# Altium PCB NxtPX4.PcbDoc (part 4 of 6)
Units mm, origin at the board's own origin, x right, y up, seen from the top; angles counter-clockwise.
Board outline 33 x 27 mm, 4 copper layers (F.Cu, In1.Cu, In2.Cu, B.Cu); 137 components, 132 nets, 629 pads, 296 vias.
Unrouted connection lines stored in the file: 3.
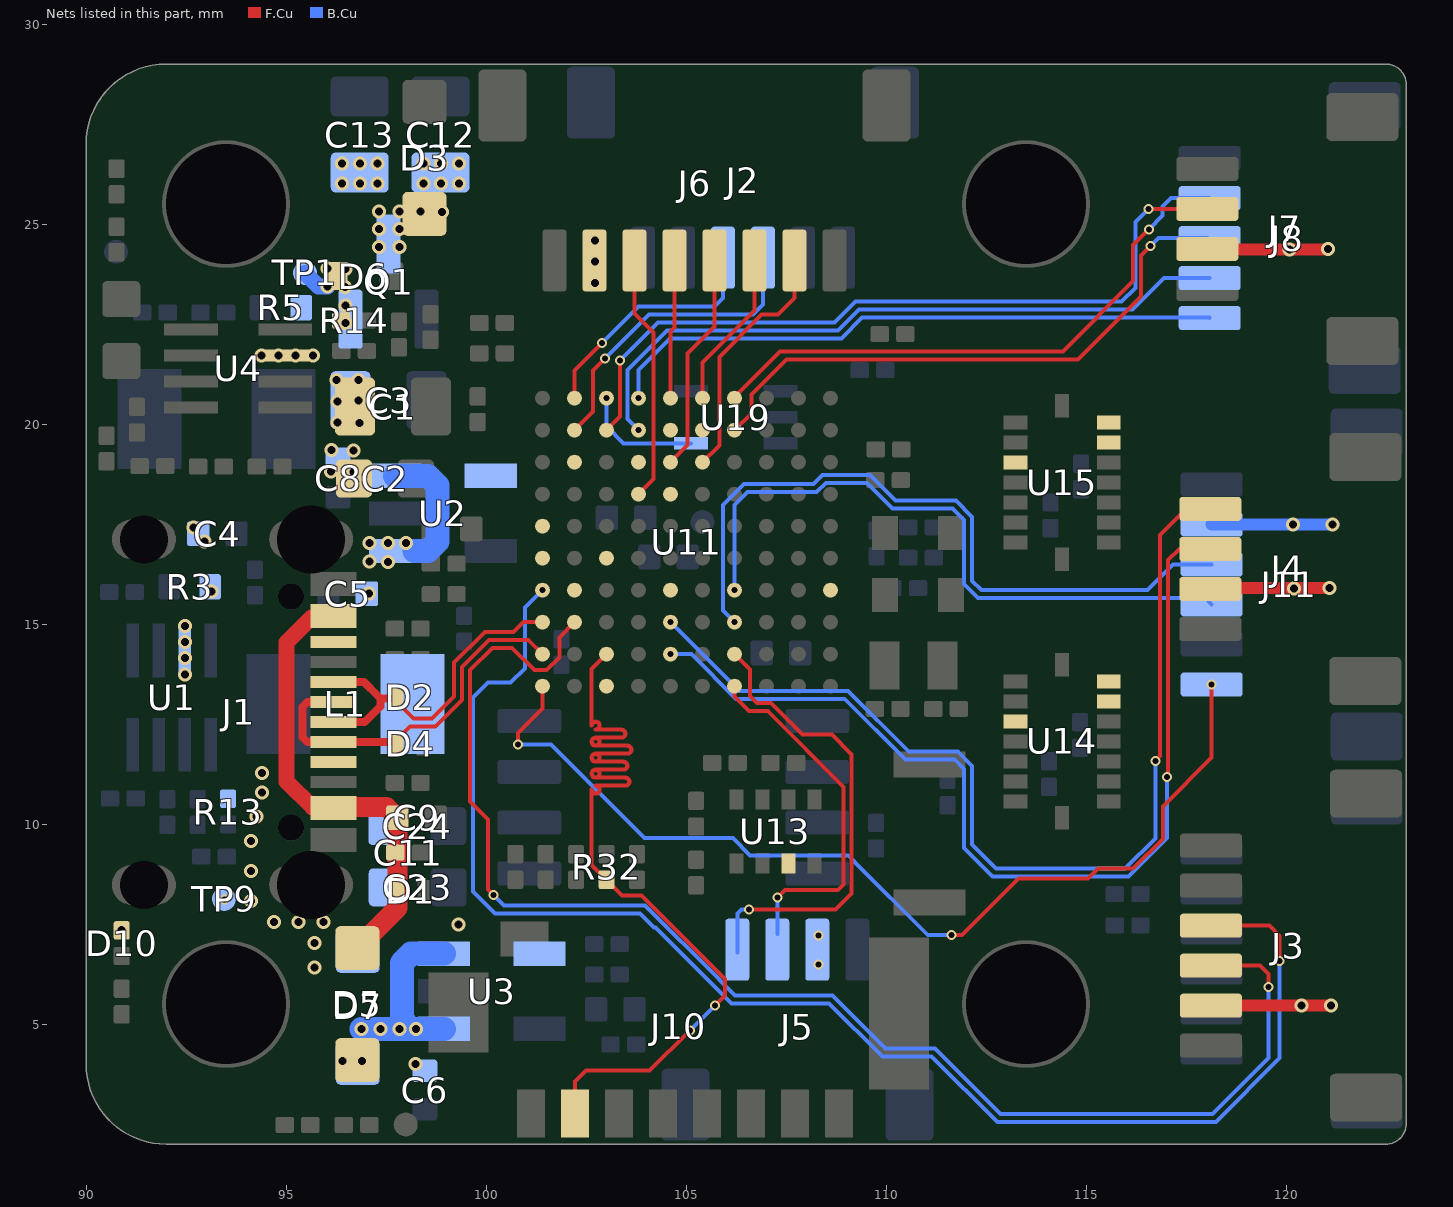
[diagram p6: the nets of this part, all layers, seen from the top]

## Via types
v1: diameter 0.25, hole 0.15, F.Cu to B.Cu, tented both sides, 149 vias
v2: diameter 0.35, hole 0.2, F.Cu to B.Cu, tented both sides, 147 vias

## Nets (pads, with @x,y where several pads share a name; then routed paths per layer and width w, separated by ;. In a path a pad name is that pad's centre, name@x,y a point inside that pad or via, vN(x,y) a via of type N, cw(c..) or ccw(c..) an arc to the next point about the centre after c; other vN are vias at no path point) (continued)
SDMMC1_D3: J10.2 R32.1 U11.B8 | length 24.9
  F.Cu w0.1: J10.2@102.22,2.78 102.22,3.57 102.5,3.85 104.089,3.85 v1(105.095,4.856) ; U11.B8@103.01,14.26 102.64,13.89 102.64,12.47 cw(c102.74,12.47) 102.74,12.37 103.381,12.37 cw(c103.381,12.27) 103.481,12.27 cw(c103.381,12.27) 103.381,12.17 102.74,12.17 cw(c102.74,12.07) 102.64,12.07 cw(c102.74,12.07) 102.74,11.97 103.531,11.97 cw(c103.531,11.87) 103.631,11.87 cw(c103.531,11.87) 103.531,11.77 102.74,11.77 cw(c102.74,11.67) 102.64,11.67 cw(c102.74,11.67) 102.74,11.57 103.431,11.57 cw(c103.431,11.47) 103.531,11.47 cw(c103.431,11.47) 103.431,11.37 102.74,11.37 cw(c102.74,11.27) 102.64,11.27 cw(c102.74,11.27) 102.74,11.17 103.481,11.17 cw(c103.481,11.07) 103.581,11.07 cw(c103.481,11.07) 103.481,10.97 102.74,10.97 cw(c102.74,10.87) 102.64,10.87 102.64,8.99 R32.1@103.01,8.62 103.4,8.23 103.88,8.23 105.97,6.14 105.97,5.73 v1(105.72,5.48)
  B.Cu w0.1: v1(105.095,4.856) v1(105.72,5.48)
SWDIO: J11.6 U11.A10 | length 25.2
  F.Cu w0.1: v1(100.8,12) 100.8,12.29 101.41,12.9 U11.A10@101.41,13.46 ; v1(111.63,7.24) 111.894,7.24 113.304,8.65 115.045,8.65 115.295,8.9 116.177,8.9 116.92,9.643 116.92,10.453 118.14,11.673 v1(118.14,13.5)
  B.Cu w0.1: v1(100.8,12) 101.623,12 103.963,9.66 106.167,9.66 106.602,9.225 109.058,9.225 109.2,9.083 109.2,9.081 111.041,7.24 v1(111.63,7.24)
System_4V5: C5.1 C6.1 D5.1 D7.1 U2.1 U2.3 U3.1 U3.3 | length 9
  B.Cu w0.6: v2(96.88,4.89) v2(97.36,4.89) ; v2(97.36,4.89) v2(97.829,4.891) v2(98.25,4.891) U3.1@98.946,4.891 98.127,4.891 97.891,5.126 97.891,6.534 98.127,6.769 U3.3@98.946,6.77 ; U2.3@97.726,18.715 98.546,18.715 98.781,18.48 98.781,17.071 98.546,16.836 U2.1@98.204,16.836
  other v2: 98.24,4.01 96.41,4.09 96.9,4.09 97.07,15.77 97.09,16.57 97.55,16.56 97.09,17.04 97.545,17.04 98,17.04
System_5V: C23.1 C24.1 D7.2 D10.2 J3.2 J4.2 J5.2 J7.2 J11.2 L1.2 R13.2 TP9.1 | length 12.1
  F.Cu w0.3: J7.2@118.03,24.39 118.04,24.38 v2(120.09,24.38) 121.04,24.38 v2(121.05,24.39) ; J4.2@118.105,15.89 118.125,15.91 120.19,15.91 v2(120.2,15.9) 120.21,15.91 v2(121.08,15.91) ; J3.2@118.12,5.47 v2(120.39,5.47) v2(121.12,5.47)
  B.Cu w0.3: J11.2@118.14,17.5 v2(120.17,17.5) v2(121.16,17.5) v2@121.18,17.5
  other v1: 108.31,6.5 108.31,7.22 93.46,8.13
  other v2: 95.71,6.43 95.71,7.04 90.89,7.36 99.31,7.5 94.7,7.56 95.315,7.56 95.93,7.56 94.12,8.09 94.12,8.84 94.12,9.59 94.26,10.195 94.4,10.8 94.4,11.29
TIM1_CH1: J6.3 U11.K5 | length 3.5
  F.Cu w0.1: U11.K5@105.41,20.66 105.41,21.556 106.71,22.856 J6.3@106.71,23.63
TIM1_CH2: J6.4 U11.H6 | length 5.5
  F.Cu w0.1: U11.H6@104.61,19.06 105.04,19.49 105.04,21.776 105.71,22.446 J6.4@105.71,24.1
TIM1_CH3: J6.5 U11.K6 | length 3.5
  F.Cu w0.1: U11.K6@104.61,20.66 104.61,22.33 104.71,22.43 J6.5@104.71,24.1
TIM1_CH4: J6.6 U11.G7 | length 6.2
  F.Cu w0.1: J6.6@103.71,24.1 103.71,22.78 104.19,22.3 104.19,18.64 U11.G7@103.81,18.26
TIM2_CH3: J8.4 U11.J7 | length 17.1
  B.Cu w0.1: v1(103.81,19.86) 103.53,20.14 103.53,21.363 104.517,22.35 108.797,22.35 109.317,22.87 116.16,22.87 116.95,23.66 J8.4@118.09,23.66
TIM2_CH4: J8.5 U11.K7 | length 15.5
  B.Cu w0.1: v1(103.81,20.66) 103.81,21.36 104.6,22.15 108.88,22.15 109.4,22.67 118.08,22.67 J8.5@118.09,22.66
TIM3_CH3: J8.3 U11.J4 | length 14.7
  F.Cu w0.1: U11.J4@106.21,19.86 106.63,20.28 106.63,20.756 107.504,21.63 114.8,21.63 116.37,23.2 116.37,24.22 v1(116.61,24.46)
  B.Cu w0.1: v1(116.61,24.46) 116.81,24.66 J8.3@118.04,24.66
TIM3_CH4: J8.2 U11.K4 | length 14.6
  F.Cu w0.1: U11.K4@106.21,20.693 107.347,21.83 114.417,21.83 116.17,23.583 116.17,24.49 116.56,24.88 v1(116.57,24.88)
  B.Cu w0.1: v1(116.57,24.88) 116.91,25.22 116.91,25.45 117.12,25.66 J8.2@118.09,25.66
UART4_RX: J5.4 U11.B4 | length 11.9
  F.Cu w0.1: U11.B4@106.21,14.26 106.6,13.87 106.6,13.21 106.77,13.04 107.124,13.04 107.914,12.25 108.645,12.25 109.14,11.755 109.14,8.27 108.74,7.87 v1(106.57,7.87)
  B.Cu w0.1: J5.4@106.29,6.8 106.29,7.77 106.39,7.87 v1(106.57,7.87)
UART4_TX: J5.3 U11.A4 | length 9.1
  F.Cu w0.1: U11.A4@106.21,13.46 106.21,13.198 106.568,12.84 107.041,12.84 108.94,10.941 108.94,8.5 108.8,8.36 107.476,8.36 v1(107.29,8.174)
  B.Cu w0.1: J5.3@107.28,7.26 107.28,8.164 v1(107.29,8.174)
UART5_RX: U11.K8 U19.4 | length 3
  B.Cu w0.1: v1(103.01,20.66) 103.01,19.96 103.44,19.53 U19.4@105.119,19.53
UART5_TX: J7.3 U11.J8 | length 19.1
  F.Cu w0.1: U11.J8@103.01,19.86 103.345,20.195 v1(103.345,21.6) ; v1(116.56,25.39) J7.3@118.03,25.39
  B.Cu w0.1: v1(103.345,21.6) 104.295,22.55 108.714,22.55 109.234,23.07 115.89,23.07 116.23,23.41 116.23,25.06 v1(116.56,25.39)
UART6_RX: U11.E10
UART6_TX: U11.F10
UART7_RX: J6.2 U11.H5 | length 6.2
  F.Cu w0.1: U11.H5@105.41,19.06 105.83,19.48 105.83,21.693 106.887,22.75 107.3,22.75 107.71,23.16 J6.2@107.71,24.1
UART7_TX: U11.J5
UART8_RX: J11.4 U11.D4 | length 16.5
  B.Cu w0.1: v1(106.21,15.86) 106.21,17.99 106.53,18.31 108.264,18.31 108.494,18.54 109.517,18.54 110.157,17.9 111.66,17.9 111.95,17.61 111.95,16.007 112.297,15.66 117.98,15.66 J11.4@118.14,15.5
UART8_TX: J11.3 U11.C4 | length 18
  B.Cu w0.1: v1(106.21,15.06) 105.92,15.35 105.92,17.983 106.447,18.51 108.181,18.51 108.411,18.74 109.6,18.74 110.24,18.1 111.743,18.1 112.15,17.693 112.15,16.09 112.38,15.86 116.53,15.86 117.17,16.5 J11.3@118.14,16.5
unconnected-(J1-SBU1-PadA8): J1.A8
unconnected-(J1-SBU2-PadB8): J1.B8
unconnected-(U2-NC-Pad4): U2.4
unconnected-(U3-NC-Pad4): U3.4
unconnected-(U11A-PA15-PadA8): U11.A8
unconnected-(U11A-PD1-PadE8): U11.E8
unconnected-(U11B-PE10-PadG6): U11.G6
unconnected-(U11B-PE12-PadJ6): U11.J6
unconnected-(U11B-PE15-PadH7): U11.H7
unconnected-(U11B-PH1-OSC_OUT-PadD1): U11.D1
unconnected-(U13-CSB-Pad2): U13.2
unconnected-(U14-INT2-Pad1): U14.1
unconnected-(U14-INT4-Pad13): U14.13
unconnected-(U14-NC-Pad2): U14.2
unconnected-(U15-INT2-Pad1): U15.1
unconnected-(U15-INT4-Pad13): U15.13
unconnected-(U15-NC-Pad2): U15.2
USART1_CK: U11.D9
USART1_RX: J3.4 U11.D10 | length 36.7
  F.Cu w0.1: J3.4@118.12,7.47 119.58,7.47 119.84,7.21 v1(119.84,6.59)
  B.Cu w0.1: v1(101.41,15.86) 100.97,15.42 100.97,13.906 100.614,13.55 100.05,13.55 99.67,13.17 99.67,8.33 100.22,7.78 103.85,7.78 104.201,7.429 104.234,7.429 106.135,5.529 108.575,5.529 109.904,4.2 111.14,4.2 112.78,2.56 118.243,2.56 119.84,4.157 v1(119.84,6.59)
USART1_TX: J3.3 U11.C9 | length 35.6
  F.Cu w0.1: v1@100.23,8.2 100.05,8.38 100.05,10.124 99.6,10.574 99.6,13.858 100.159,14.417 100.653,14.417 101.21,13.86 101.51,13.86 101.83,14.18 101.83,14.68 U11.C9@102.21,15.06 ; J3.3@118.12,6.47 119.35,6.47 119.56,6.26 v1(119.56,5.94)
  B.Cu w0.1: v1(100.19,8.24) 100.45,7.98 103.971,7.98 105.83,6.121 105.83,6.117 106.218,5.729 108.657,5.729 109.986,4.4 111.223,4.4 112.863,2.76 118.16,2.76 119.56,4.16 v1(119.56,5.94)
USART2_CK: U11.D6
USART2_RX: J4.4 U11.C6 | length 25.3
  F.Cu w0.1: v1(116.73,11.59) 116.85,11.71 116.85,17.24 117.5,17.89 J4.4@118.105,17.89
  B.Cu w0.1: v1(104.61,15.06) 105.207,14.463 105.21,14.463 106.333,13.34 109.048,13.34 110.568,11.82 111.798,11.82 112.15,11.467 112.15,9.497 112.748,8.9 115.974,8.9 116.73,9.656 v1(116.73,11.59)
USART2_TX: J4.3 U11.B6 | length 24.4
  F.Cu w0.1: v1(117.025,11.185) 117.05,11.21 117.05,16.61 117.33,16.89 J4.3@118.105,16.89
  B.Cu w0.1: v1(104.61,14.26) 105.13,14.26 106.25,13.14 108.966,13.14 110.486,11.62 111.716,11.62 111.95,11.385 111.95,9.415 112.665,8.7 116.057,8.7 117.025,9.668 v1(117.025,11.185)
USART3_CK: U11.H9
USART3_RX: J2.4 U11.J9 | length 7.8
  F.Cu w0.1: U11.J9@102.21,19.86 102.675,20.325 102.675,21.355 v1(102.97,21.65)
  B.Cu w0.1: v1(102.97,21.65) 104.07,22.75 106.67,22.75 106.92,23 J2.4@106.92,24.17
USART3_TX: J2.3 U11.K9 | length 6.2
  F.Cu w0.1: U11.K9@102.21,20.66 102.21,21.35 v1(102.9,22.04)
  B.Cu w0.1: v1(102.9,22.04) 103.81,22.95 105.71,22.95 105.92,23.16 J2.3@105.92,24.17
USB_OTG_FS_DM: D2.2 J1.A7 J1.B7 U11.C10 | length 8.6
  F.Cu w0.1: D2.2@97.782,13.053 98.186,12.65 98.649,12.65 99.2,13.201 99.2,14.05 99.966,14.816 100.686,14.816 100.93,15.06 U11.C10@101.41,15.06
  F.Cu w0.2: J1.A7@96.19,12.56 96.965,12.56 97.36,12.955 97.36,13.15 ; J1.B7@96.19,13.56 96.95,13.56 97.29,13.22 97.36,13.15 ; D2.2@97.752,13.15 97.36,13.15
USB_OTG_FS_DP: D4.2 J1.A6 J1.B6 U11.B10 | length 9.2
  F.Cu w0.1: D4.2@97.782,12.137 98.096,12.45 98.731,12.45 99.4,13.118 99.4,13.939 100.077,14.617 101.053,14.617 U11.B10@101.41,14.26
  F.Cu w0.2: J1.A6@96.19,13.06 95.535,13.06 95.415,12.94 95.415,12.175 95.53,12.06 J1.B6@96.19,12.06 D4.2@97.692,12.06
VBUS: C9.1 C11.1 D1.2 D5.2 J1.A4 J1.A9 J1.B4 J1.B9 | length 11.7
  F.Cu w0.4: J1.B9@96.16,15.17 95.63,15.17 95.015,14.555 95.015,11.075 95.66,10.43 J1.B4@96.34,10.43
  F.Cu w0.5: J1.B4@96.31,10.44 97.51,10.44 C9.1@97.78,10.17 97.78,7.91 D5.2@96.78,6.91
VCC_24V: C1.1 C2.1 C3.1 C4.1 C8.1 D6.1 Q1.2 R3.1 R5.1 R14.1 TP1.1 U1.7 U4.7 | length 0.7
  B.Cu w0.4: TP1.1@95.47,23.79 95.81,23.45 v2(96.04,23.45)
  other v2: 92.47,13.757 92.47,14.16 92.47,14.563 92.47,14.967 93.14,15.83 92.96,17.07 92.68,17.42 96.12,18.82 96.68,18.81 96.13,19.36 96.69,19.35 96.28,20.05 96.84,20.04 96.28,20.58 96.81,20.6 96.26,21.11 96.81,21.11 94.387,21.72 94.813,21.72 95.24,21.72 95.667,21.72 96.49,22.54 96.48,22.98 96.47,23.44 96.04,23.9 96.48,23.89
VCC_BAT: C12.1 C13.1 D3.2 J6.7 Q1.3
  other v2: 102.72,23.535 102.72,24.07 97.32,24.443 97.83,24.443 102.72,24.605 97.32,24.887 97.83,24.887 98.9,25.31 97.32,25.33 97.83,25.33 98.36,25.32 96.4,26.02 96.843,26.02 97.287,26.02 98.43,26.02 98.873,26.02 99.317,26.02 96.4,26.53 96.843,26.53 97.287,26.53 98.43,26.53 98.873,26.53 99.317,26.53
pads on no net: C7.Un1 C7.Un2 C10.Un1 C10.Un2 C11.Un1 C11.Un2 C16.Un1 C16.Un2 C17.Un1 C17.Un2 C18.Un1 C18.Un2 C19.Un1 C19.Un2 C20.Un1 C20.Un2 C21.Un1 C21.Un2 C22.Un1 C22.Un2 C30.Un1 C30.Un2 C31.Un1 C31.Un2 C32.Un1 C32.Un2 C33.Un1 C33.Un2 C34.Un1 C34.Un2 C35.Un1 C35.Un2 C36.Un1 C36.Un2 C37.Un1 C37.Un2 C38.Un1 C38.Un2 C39.Un1 C39.Un2 C40.Un1 C40.Un2 C41.Un1 C41.Un2 C42.Un1 C42.Un2 C43.Un1 C43.Un2 C44.Un1 C44.Un2 C45.Un1 C45.Un2 D8.Un1 D8.Un2 D9.Un1 D9.Un2 D10.Un1 D10.Un2 D11.Un1 D11.Un2 D12.Un1 D12.Un2 D13.Un1 D13.Un2 D14.Un1 D14.Un2 J1.Un1 J1.Un2 R1.Un1 R1.Un2 R2.Un1 R2.Un2 R4.Un1 R4.Un2 R6.Un1 R6.Un2 R7.Un1 R7.Un2 R8.Un1 R8.Un2 R9.Un1 R9.Un2 R10.Un1 R10.Un2 R11.Un1 R11.Un2 R12.Un1 R12.Un2 R13.Un1 R13.Un2 R14.Un1 R14.Un2 R15.Un1 R15.Un2 R16.Un1 R16.Un2 R17.Un1 R17.Un2 R18.Un1 R18.Un2 R19.Un1 R19.Un2 R20.Un1 R20.Un2 R21.Un1 R21.Un2 R23.Un1 R23.Un2 R24.Un1 R24.Un2 R25.Un1 R25.Un2 R26.Un1 R26.Un2 R27.Un1 R27.Un2 R28.Un1 R28.Un2 R29.Un1 R29.Un2 R30.Un1 R30.Un2 R31.Un1 R31.Un2 R32.Un1 R32.Un2 R33.Un1 R33.Un2 R34.Un1 R34.Un2 R35.Un1 R35.Un2 R36.Un1 R36.Un2 R37.Un1 R37.Un2 R38.Un1 R38.Un2

## Polygon pours and split planes (outlines as drawn)
GND on F.Cu "F.Cu-GND" (solid, remove dead copper, pour order 30682): 123.99,30.79 124.14,0.31 89.26,0.14 89.108,30.537
SCLK on F.Cu "F.Cu-/SCLK-3" (solid, remove dead copper, pour order 30657): 112.738,7.689 112.711,7.668 112.688,7.66 112.664,7.658 112.637,7.656 112.602,7.645 112.649,7.529 112.765,7.482 112.776,7.517 112.778,7.544 112.78,7.568 112.788,7.591 112.809,7.618
USART3_TX on F.Cu "F.Cu-/USART3_TX-1" (solid, remove dead copper, pour order 30663): 102.812,21.881 102.839,21.902 102.862,21.91 102.886,21.912 102.913,21.914 102.948,21.925 102.901,22.041 102.785,22.088 102.774,22.053 102.772,22.026 102.77,22.002 102.762,21.979 102.741,21.952
USB_OTG_FS_DM on F.Cu "F.Cu-/USB_OTG_FS_DM-4" (solid, remove dead copper, pour order 30541): 101.151,15.01 101.204,15.002 101.236,14.98 101.261,14.95 101.291,14.918 101.339,14.889 101.411,15.06 101.339,15.231 101.291,15.202 101.261,15.17 101.236,15.14 101.204,15.118 101.151,15.11
EX_SPI3_MOSI on F.Cu "F.Cu-/EX_SPI3_MOSI-1" (solid, remove dead copper, pour order 30598): 105.628,18.112 105.597,18.155 105.59,18.194 105.593,18.232 105.595,18.276 105.581,18.331 105.409,18.261 105.339,18.089 105.394,18.075 105.438,18.077 105.476,18.08 105.515,18.073 105.558,18.042
System_5V on F.Cu "F.Cu-System_5V-11" (solid, remove dead copper, pour order 30399): 120.807,24.23 120.867,24.228 120.91,24.225 120.947,24.22 120.99,24.217 121.05,24.215 121.051,24.39 121.05,24.565 120.989,24.561 120.947,24.553 120.91,24.542 120.868,24.534 120.807,24.53
BMI088_0_MISO on F.Cu "F.Cu-/BMI088_0_MISO-5" (solid, remove dead copper, pour order 30652): 112.301,20.128 112.322,20.101 112.33,20.078 112.332,20.054 112.334,20.027 112.345,19.992 112.461,20.039 112.508,20.155 112.473,20.166 112.446,20.168 112.422,20.17 112.399,20.178 112.372,20.199
BMI088_1_MISO on F.Cu "F.Cu-/BMI088_1_MISO-3" (solid, remove dead copper, pour order 30477): 112.87,11.03 112.884,11.014 112.898,10.993 112.912,10.968 112.926,10.939 112.94,10.905 113.236,11.08 112.94,11.255 112.926,11.221 112.912,11.192 112.898,11.167 112.884,11.146 112.87,11.13
System_5V on F.Cu "F.Cu-System_5V-10" (solid, remove dead copper, pour order 30385): 120.875,5.32 120.936,5.317 120.979,5.311 121.016,5.304 121.059,5.298 121.12,5.295 121.121,5.47 121.12,5.645 121.059,5.642 121.016,5.636 120.979,5.629 120.936,5.623 120.875,5.62
USART1_RX on F.Cu "F.Cu-/USART1_RX-1" (solid, remove dead copper, pour order 30309): 119.015,7.52 118.982,7.545 118.949,7.579 118.917,7.62 118.884,7.669 118.851,7.726 118.119,7.47 118.851,7.214 118.884,7.271 118.917,7.32 118.949,7.361 118.982,7.395 119.015,7.42
Core_3V3 on F.Cu "F.Cu-Core_3V3-21" (solid, remove dead copper, pour order 30505): 107.556,14.372 107.588,14.335 107.605,14.304 107.614,14.273 107.623,14.237 107.639,14.189 107.811,14.259 107.881,14.431 107.833,14.447 107.797,14.456 107.766,14.465 107.735,14.482 107.698,14.514
EX_SPI3_MOSI on F.Cu "F.Cu-/EX_SPI3_MOSI" (solid, remove dead copper, pour order 30621): 106.455,17.84 106.489,17.836 106.512,17.825 106.529,17.809 106.55,17.792 106.582,17.775 106.631,17.89 106.582,18.005 106.55,17.988 106.529,17.971 106.512,17.955 106.489,17.944 106.455,17.94
BMI088_1_SCK on F.Cu "F.Cu-/BMI088_1_SCK-1" (solid, remove dead copper, pour order 30605): 107.215,13.303 107.191,13.333 107.184,13.36 107.186,13.387 107.192,13.419 107.195,13.46 107.009,13.461 106.939,13.289 106.991,13.275 107.032,13.273 107.068,13.273 107.103,13.263 107.144,13.232
Net-(J1-CC1) on F.Cu "F.Cu-Net-(J1-CC1)-1" (solid, remove dead copper, pour order 30349): 96.825,14.16 96.813,14.165 96.801,14.173 96.789,14.183 96.777,14.195 96.765,14.21 96.189,14.06 96.765,13.91 96.777,13.925 96.789,13.937 96.801,13.947 96.813,13.955 96.825,13.96
BMI088_0_SCK on F.Cu "F.Cu-/BMI088_0_SCK-1" (solid, remove dead copper, pour order 30593): 107.228,18.912 107.197,18.955 107.19,18.994 107.193,19.032 107.195,19.076 107.181,19.131 107.009,19.061 106.939,18.889 106.994,18.875 107.038,18.877 107.076,18.88 107.115,18.873 107.158,18.842
USART1_TX on F.Cu "F.Cu-/USART1_TX-3" (solid, remove dead copper, pour order 30578): 102.062,14.842 102.105,14.873 102.144,14.88 102.182,14.877 102.226,14.875 102.281,14.889 102.211,15.061 102.039,15.131 102.025,15.076 102.027,15.032 102.03,14.994 102.023,14.955 101.992,14.912
SCLK on F.Cu "F.Cu-/SCLK-2" (solid, remove dead copper, pour order 30641): 119.47,14.325 119.474,14.359 119.485,14.382 119.501,14.399 119.518,14.42 119.535,14.452 119.42,14.501 119.305,14.452 119.322,14.42 119.339,14.399 119.355,14.382 119.366,14.359 119.37,14.325
USB_OTG_FS_DM on F.Cu "F.Cu-/USB_OTG_FS_DM-3" (solid, remove dead copper, pour order 30469): 98.013,12.893 97.998,12.946 97.982,13.006 97.966,13.072 97.951,13.144 97.935,13.222 97.782,13.181 97.774,12.901 97.807,12.896 97.841,12.886 97.875,12.87 97.909,12.849 97.943,12.822
UART4_RX on F.Cu "F.Cu-/UART4_RX-1" (solid, remove dead copper, pour order 30649): 106.745,7.92 106.711,7.924 106.688,7.935 106.671,7.951 106.65,7.968 106.618,7.985 106.569,7.87 106.618,7.755 106.65,7.772 106.671,7.789 106.688,7.805 106.711,7.816 106.745,7.82
System_5V on F.Cu "F.Cu-System_5V-9" (solid, remove dead copper, pour order 30276): 119.015,5.62 118.972,5.632 118.93,5.653 118.887,5.68 118.845,5.716 118.802,5.759 118.119,5.47 118.802,5.181 118.845,5.224 118.887,5.26 118.93,5.287 118.972,5.308 119.015,5.32
SDMMC1_CMD on F.Cu "F.Cu-/SDMMC1_CMD-6" (solid, remove dead copper, pour order 30407): 103.495,8.824 103.51,8.784 103.525,8.736 103.54,8.679 103.555,8.612 103.57,8.537 103.771,8.619 103.823,8.85 103.771,8.843 103.72,8.844 103.669,8.853 103.617,8.87 103.566,8.895
TIM3_CH4 on F.Cu "F.Cu-/TIM3_CH4-1" (solid, remove dead copper, pour order 30675): 116.478,24.727 116.505,24.748 116.53,24.754 116.554,24.754 116.582,24.755 116.618,24.765 116.571,24.881 116.455,24.928 116.444,24.894 116.44,24.868 116.437,24.846 116.428,24.824 116.407,24.798
Baro_I2C1_SCL on F.Cu "F.Cu-/Baro_I2C1_SCL-3" (solid, remove dead copper, pour order 30413): 104.975,9.324 104.99,9.284 105.005,9.236 105.02,9.179 105.035,9.112 105.05,9.037 105.251,9.119 105.303,9.35 105.251,9.343 105.2,9.344 105.149,9.353 105.097,9.37 105.046,9.395
Net-(D8-K) on F.Cu "F.Cu-Net-(D8-K)-1" (solid, remove dead copper, pour order 30609): 99.397,14.996 99.43,15.025 99.456,15.042 99.48,15.055 99.506,15.073 99.538,15.102 99.451,15.191 99.362,15.278 99.333,15.246 99.315,15.22 99.302,15.196 99.285,15.17 99.256,15.137
SDMMC1_D0 on F.Cu "F.Cu-/SDMMC1_D0-5" (solid, remove dead copper, pour order 30419): 101.005,8.416 100.99,8.456 100.975,8.504 100.96,8.561 100.945,8.628 100.93,8.703 100.729,8.621 100.677,8.39 100.729,8.397 100.78,8.396 100.831,8.387 100.883,8.37 100.934,8.345
BMI088_0_ADR on F.Cu "F.Cu-/BMI088_0_ADR-3" (solid, remove dead copper, pour order 30661): 111.392,18.231 111.419,18.252 111.442,18.26 111.466,18.262 111.493,18.264 111.528,18.275 111.481,18.391 111.365,18.438 111.354,18.403 111.352,18.376 111.35,18.352 111.342,18.329 111.321,18.302
SDMMC1_CK on F.Cu "F.Cu-/SDMMC1_CK-3" (solid, remove dead copper, pour order 30674): 106.841,5.185 106.819,5.149 106.802,5.124 106.787,5.103 106.772,5.076 106.755,5.038 106.869,4.989 106.985,5.038 106.968,5.063 106.948,5.081 106.93,5.095 106.921,5.111 106.928,5.135
LED_RED on F.Cu "F.Cu-/LED_RED-1" (solid, remove dead copper, pour order 30555): 102.792,18.408 102.823,18.365 102.83,18.326 102.827,18.288 102.825,18.244 102.839,18.189 103.011,18.259 103.081,18.431 103.026,18.445 102.982,18.443 102.944,18.44 102.905,18.447 102.862,18.478
Core_3V3 on F.Cu "F.Cu-Core_3V3-20" (solid, remove dead copper, pour order 30614): 106.472,11.499 106.45,11.522 106.436,11.54 106.427,11.557 106.418,11.578 106.405,11.608 106.289,11.561 106.202,11.472 106.233,11.442 106.256,11.423 106.277,11.406 106.3,11.387 106.331,11.358
Core_3V3 on F.Cu "F.Cu-Core_3V3-19" (solid, remove dead copper, pour order 30367): 99.1,15.444 99.149,15.479 99.199,15.509 99.248,15.532 99.297,15.549 99.346,15.56 99.261,15.761 99.03,15.807 99.016,15.751 99.001,15.701 98.987,15.656 98.973,15.618 98.959,15.586
BMI088_1_ACS on F.Cu "F.Cu-/BMI088_1_ACS-1" (solid, remove dead copper, pour order 30595): 108.028,13.312 107.997,13.355 107.99,13.394 107.993,13.432 107.995,13.476 107.981,13.531 107.809,13.461 107.739,13.289 107.794,13.275 107.838,13.277 107.876,13.28 107.915,13.273 107.958,13.242
Net-(U4-SW) on F.Cu "F.Cu-Net-(U4-SW)-1" (solid, remove dead copper, pour order 30435): 94.785,19.23 94.773,19.204 94.761,19.182 94.749,19.162 94.737,19.145 94.725,19.132 94.91,18.949 95.124,19.1 95.116,19.12 95.109,19.143 95.101,19.169 95.093,19.198 95.085,19.23
USART1_TX on F.Cu "F.Cu-/USART1_TX-2" (solid, remove dead copper, pour order 30306): 119.015,6.52 118.982,6.545 118.949,6.579 118.917,6.62 118.884,6.669 118.851,6.726 118.119,6.47 118.851,6.214 118.884,6.271 118.917,6.32 118.949,6.361 118.982,6.395 119.015,6.42
BMI088_0_MOSI on F.Cu "F.Cu-/BMI088_0_MOSI-3" (solid, remove dead copper, pour order 30473): 112.87,17 112.884,16.984 112.898,16.963 112.912,16.938 112.926,16.909 112.94,16.875 113.236,17.05 112.94,17.225 112.926,17.191 112.912,17.162 112.898,17.137 112.884,17.116 112.87,17.1
Net-(R12-Pad2) on F.Cu "F.Cu-Net-(R12-Pad2)-3" (solid, remove dead copper, pour order 30455): 90.99,19.65 91.012,19.646 91.034,19.639 91.055,19.629 91.077,19.616 91.099,19.6 91.271,19.8 91.099,20 91.077,19.984 91.055,19.971 91.034,19.961 91.012,19.954 90.99,19.95
USB_OTG_FS_DM on F.Cu "F.Cu-/USB_OTG_FS_DM-2" (solid, remove dead copper, pour order 30357): 96.825,13.66 96.813,13.665 96.801,13.673 96.789,13.683 96.777,13.695 96.765,13.71 96.189,13.56 96.765,13.41 96.777,13.425 96.789,13.437 96.801,13.447 96.813,13.455 96.825,13.46
Net-(U11B-BOOT0) on F.Cu "F.Cu-Net-(U11B-BOOT0)-1" (solid, remove dead copper, pour order 30341): 111.11,11.95 111.049,11.904 110.989,11.868 110.928,11.842 110.868,11.826 110.807,11.82 111.08,11.494 111.467,11.82 111.416,11.829 111.364,11.846 111.313,11.872 111.261,11.907 111.21,11.95
Core_3V3 on F.Cu "F.Cu-Core_3V3-18" (solid, remove dead copper, pour order 30453): 113.6,18.18 113.586,18.183 113.572,18.187 113.558,18.193 113.544,18.2 113.53,18.209 113.234,18.05 113.53,17.875 113.544,17.879 113.558,17.882 113.572,17.882 113.586,17.882 113.6,17.88
TIM3_CH3 on F.Cu "F.Cu-/TIM3_CH3-1" (solid, remove dead copper, pour order 30580): 106.358,20.078 106.315,20.047 106.276,20.04 106.238,20.043 106.194,20.045 106.139,20.031 106.209,19.859 106.381,19.789 106.395,19.844 106.393,19.888 106.39,19.926 106.397,19.965 106.428,20.008
SDMMC1_D2 on F.Cu "F.Cu-/SDMMC1_D2-5" (solid, remove dead copper, pour order 30288): 101.07,3.52 101.01,3.472 100.95,3.434 100.89,3.406 100.83,3.388 100.77,3.38 101.12,2.779 101.47,3.38 101.41,3.388 101.35,3.406 101.29,3.434 101.23,3.472 101.17,3.52
EX_I2C4_SDA on F.Cu "F.Cu-/EX_I2C4_SDA-2" (solid, remove dead copper, pour order 30672): 114.854,7.977 114.833,8.004 114.825,8.027 114.823,8.051 114.821,8.078 114.81,8.113 114.694,8.066 114.647,7.95 114.682,7.939 114.709,7.937 114.733,7.935 114.756,7.927 114.783,7.906
SDMMC1_CMD on F.Cu "F.Cu-/SDMMC1_CMD-5" (solid, remove dead copper, pour order 30678): 105.22,4.428 105.227,4.442 105.238,4.445 105.253,4.442 105.27,4.438 105.29,4.435 105.29,4.561 105.175,4.608 105.159,4.571 105.149,4.544 105.141,4.52 105.134,4.493 105.123,4.454
SDMMC1_CMD on F.Cu "F.Cu-/SDMMC1_CMD-4" (solid, remove dead copper, pour order 30300): 103.327,3.538 103.263,3.485 103.198,3.442 103.133,3.411 103.069,3.39 103.004,3.38 103.319,2.779 103.67,3.38 103.615,3.38 103.561,3.389 103.507,3.407 103.452,3.432 103.398,3.467
ADC2_INP8_BATT_I on F.Cu "F.Cu-/ADC2_INP8_BATT_I-1" (solid, remove dead copper, pour order 30315): 108.76,23.205 108.801,23.254 108.842,23.294 108.884,23.327 108.925,23.352 108.966,23.369 108.71,24.101 108.454,23.369 108.495,23.352 108.536,23.327 108.578,23.294 108.619,23.254 108.66,23.205
FRAM_SPI2_MOSI on F.Cu "F.Cu-/FRAM_SPI2_MOSI-1" (solid, remove dead copper, pour order 30574): 106.862,17.242 106.905,17.273 106.944,17.28 106.982,17.277 107.026,17.275 107.081,17.289 107.011,17.461 106.839,17.531 106.825,17.476 106.827,17.432 106.83,17.394 106.823,17.355 106.792,17.312
Core_3V3 on F.Cu "F.Cu-Core_3V3-17" (solid, remove dead copper, pour order 30333): 111.725,16.73 111.77,16.772 111.815,16.805 111.86,16.831 111.905,16.85 111.95,16.86 111.625,17.286 111.3,16.86 111.345,16.85 111.39,16.831 111.435,16.805 111.48,16.772 111.525,16.73
FRAM_SPI2_MOSI on F.Cu "F.Cu-/FRAM_SPI2_MOSI" (solid, remove dead copper, pour order 30622): 102.57,15.635 102.566,15.601 102.555,15.578 102.539,15.561 102.522,15.54 102.505,15.508 102.62,15.459 102.735,15.508 102.718,15.54 102.701,15.561 102.685,15.578 102.674,15.601 102.67,15.635
SDMMC1_D1 on F.Cu "F.Cu-/SDMMC1_D1-4" (solid, remove dead copper, pour order 30636): 100.41,13.951 100.414,13.985 100.425,14.007 100.441,14.025 100.458,14.046 100.475,14.078 100.36,14.126 100.245,14.078 100.262,14.046 100.279,14.025 100.295,14.007 100.306,13.985 100.31,13.951
ADC1_INP4_BATT_V on F.Cu "F.Cu-/ADC1_INP4_BATT_V-6" (solid, remove dead copper, pour order 30431): 96.816,22.325 96.873,22.358 96.931,22.382 96.988,22.397 97.045,22.403 97.103,22.4 97.021,22.601 96.79,22.653 96.781,22.586 96.772,22.527 96.763,22.475 96.754,22.432 96.745,22.396
Baro_I2C1_SDA on F.Cu "F.Cu-/Baro_I2C1_SDA-3" (solid, remove dead copper, pour order 30509): 105.53,10 105.508,10.019 105.486,10.043 105.465,10.073 105.443,10.109 105.421,10.15 105.249,9.95 105.421,9.75 105.443,9.791 105.465,9.827 105.486,9.857 105.508,9.881 105.53,9.9
UART5_TX on F.Cu "F.Cu-/UART5_TX-3" (solid, remove dead copper, pour order 30577): 103.158,20.078 103.115,20.047 103.076,20.04 103.038,20.043 102.994,20.045 102.939,20.031 103.009,19.859 103.181,19.789 103.195,19.844 103.193,19.888 103.19,19.926 103.197,19.965 103.228,20.008
Net-(D8-K) on F.Cu "F.Cu-Net-(D8-K)" (solid, remove dead copper, pour order 30463): 98.67,15 98.642,15.008 98.613,15.022 98.585,15.04 98.557,15.064 98.528,15.092 98.359,14.9 98.528,14.708 98.557,14.736 98.585,14.76 98.613,14.778 98.642,14.792 98.67,14.8
BMI088_0_SCK on F.Cu "F.Cu-/BMI088_0_SCK" (solid, remove dead copper, pour order 30499): 114.47,16.27 114.491,16.292 114.512,16.309 114.533,16.323 114.554,16.334 114.575,16.34 114.4,16.636 114.241,16.34 114.267,16.335 114.293,16.325 114.318,16.311 114.344,16.293 114.37,16.27
Net-(J1-CC2) on F.Cu "F.Cu-Net-(J1-CC2)-1" (solid, remove dead copper, pour order 30359): 96.825,11.16 96.813,11.165 96.801,11.173 96.789,11.183 96.777,11.195 96.765,11.21 96.189,11.06 96.765,10.91 96.777,10.925 96.789,10.937 96.801,10.947 96.813,10.955 96.825,10.96
Net-(D6-A) on F.Cu "F.Cu-Net-(D6-A)-1" (solid, remove dead copper, pour order 30373): 98.46,23.07 98.452,23.036 98.443,23.004 98.435,22.976 98.426,22.951 98.418,22.928 98.61,22.759 98.802,22.928 98.794,22.951 98.785,22.976 98.777,23.004 98.768,23.036 98.76,23.07
Periph_3V3 on F.Cu "F.Cu-Periph_3V3-3" (solid, remove dead copper, pour order 30531): 102.456,7.113 102.487,7.078 102.503,7.049 102.513,7.021 102.522,6.988 102.538,6.943 102.701,7.009 102.767,7.172 102.722,7.188 102.689,7.197 102.661,7.207 102.632,7.223 102.597,7.254
UART5_TX on F.Cu "F.Cu-/UART5_TX-2" (solid, remove dead copper, pour order 30303): 117.135,25.34 117.168,25.315 117.201,25.281 117.233,25.24 117.266,25.191 117.299,25.134 118.031,25.39 117.299,25.646 117.266,25.589 117.233,25.54 117.201,25.499 117.168,25.465 117.135,25.44
System_5V on F.Cu "F.Cu-System_5V-8" (solid, remove dead copper, pour order 30391): 120.335,24.53 120.274,24.533 120.231,24.539 120.194,24.546 120.151,24.552 120.09,24.555 120.089,24.38 120.09,24.205 120.151,24.208 120.194,24.214 120.231,24.221 120.274,24.227 120.335,24.23
BMI088_0_MISO on F.Cu "F.Cu-/BMI088_0_MISO-4" (solid, remove dead copper, pour order 30485): 112.87,17.5 112.884,17.484 112.898,17.463 112.912,17.438 112.926,17.409 112.94,17.375 113.236,17.55 112.94,17.725 112.926,17.691 112.912,17.662 112.898,17.637 112.884,17.616 112.87,17.6
Net-(J1-CC1) on F.Cu "F.Cu-Net-(J1-CC1)" (solid, remove dead copper, pour order 30465): 97.41,13.96 97.446,13.967 97.482,13.968 97.518,13.964 97.554,13.955 97.59,13.94 97.721,14.14 97.506,14.291 97.487,14.255 97.468,14.224 97.449,14.198 97.429,14.176 97.41,14.16
TIM1_CH3 on F.Cu "F.Cu-/TIM1_CH3-1" (solid, remove dead copper, pour order 30549): 104.56,20.919 104.552,20.866 104.53,20.834 104.5,20.809 104.468,20.779 104.439,20.731 104.61,20.659 104.781,20.731 104.752,20.779 104.72,20.809 104.69,20.834 104.668,20.866 104.66,20.919
UART5_TX on F.Cu "F.Cu-/UART5_TX-1" (solid, remove dead copper, pour order 30648): 116.735,25.44 116.701,25.444 116.678,25.455 116.661,25.471 116.64,25.488 116.608,25.505 116.559,25.39 116.608,25.275 116.64,25.292 116.661,25.309 116.678,25.325 116.701,25.336 116.735,25.34
BMI088_0_GCS on F.Cu "F.Cu-/BMI088_0_GCS-2" (solid, remove dead copper, pour order 30625): 110.665,20.8 110.699,20.796 110.722,20.785 110.739,20.769 110.76,20.752 110.792,20.735 110.841,20.85 110.792,20.965 110.76,20.948 110.739,20.931 110.722,20.915 110.699,20.904 110.665,20.9
UART4_TX on F.Cu "F.Cu-/UART4_TX-1" (solid, remove dead copper, pour order 30667): 107.378,8.333 107.351,8.312 107.328,8.304 107.304,8.302 107.277,8.3 107.242,8.29 107.289,8.173 107.405,8.126 107.416,8.161 107.418,8.188 107.42,8.212 107.428,8.235 107.449,8.262
Net-(D9-K) on F.Cu "F.Cu-Net-(D9-K)-1" (solid, remove dead copper, pour order 30461): 95.915,2.59 95.887,2.598 95.858,2.612 95.83,2.63 95.802,2.654 95.773,2.682 95.604,2.49 95.773,2.298 95.802,2.326 95.83,2.35 95.858,2.368 95.887,2.382 95.915,2.39
ADC1_INP4_BATT_V on F.Cu "F.Cu-/ADC1_INP4_BATT_V-5" (solid, remove dead copper, pour order 30634): 105.205,18.76 105.171,18.764 105.148,18.775 105.131,18.791 105.11,18.808 105.078,18.825 105.029,18.71 105.078,18.595 105.11,18.612 105.131,18.629 105.148,18.645 105.171,18.656 105.205,18.66
System_5V on F.Cu "F.Cu-System_5V-7" (solid, remove dead copper, pour order 30387): 120.635,5.62 120.574,5.623 120.531,5.629 120.494,5.636 120.451,5.642 120.39,5.645 120.389,5.47 120.39,5.295 120.451,5.298 120.494,5.304 120.531,5.311 120.574,5.317 120.635,5.32
Baro_I2C1_SCL on F.Cu "F.Cu-/Baro_I2C1_SCL-2" (solid, remove dead copper, pour order 30576): 105.262,14.042 105.305,14.073 105.344,14.08 105.382,14.077 105.426,14.075 105.481,14.089 105.411,14.261 105.239,14.331 105.225,14.276 105.227,14.232 105.23,14.194 105.223,14.155 105.192,14.112
Core_3V3 on F.Cu "F.Cu-Core_3V3-16" (solid, remove dead copper, pour order 30616): 111.725,17.26 111.722,17.301 111.715,17.329 111.707,17.354 111.701,17.382 111.698,17.423 111.573,17.424 111.457,17.375 111.474,17.346 111.492,17.327 111.509,17.312 111.52,17.292 111.525,17.26
Periph_3V3 on F.Cu "F.Cu-Periph_3V3-2" (solid, remove dead copper, pour order 30459): 97.39,2.59 97.362,2.598 97.333,2.612 97.305,2.63 97.277,2.654 97.248,2.682 97.079,2.49 97.248,2.298 97.277,2.326 97.305,2.35 97.333,2.368 97.362,2.382 97.39,2.39
ADC1_INP4_BATT_V on F.Cu "F.Cu-/ADC1_INP4_BATT_V-4" (solid, remove dead copper, pour order 30681): 97.641,22.55 97.666,22.546 97.681,22.537 97.692,22.522 97.704,22.503 97.722,22.482 97.811,22.57 97.762,22.685 97.733,22.673 97.712,22.663 97.694,22.656 97.672,22.651 97.641,22.65
SDMMC1_CMD on F.Cu "F.Cu-/SDMMC1_CMD-3" (solid, remove dead copper, pour order 30631): 104.15,13.167 104.146,13.133 104.135,13.111 104.119,13.093 104.102,13.072 104.085,13.04 104.2,12.991 104.315,13.04 104.298,13.072 104.281,13.093 104.265,13.111 104.254,13.133 104.25,13.167
USART3_TX on F.Cu "F.Cu-/USART3_TX" (solid, remove dead copper, pour order 30539): 102.16,20.919 102.152,20.866 102.13,20.834 102.1,20.809 102.068,20.779 102.039,20.731 102.21,20.659 102.381,20.731 102.352,20.779 102.32,20.809 102.29,20.834 102.268,20.866 102.26,20.919
SDMMC1_D1 on F.Cu "F.Cu-/SDMMC1_D1-3" (solid, remove dead copper, pour order 30585): 102.062,16.442 102.105,16.473 102.144,16.48 102.182,16.477 102.226,16.475 102.281,16.489 102.211,16.661 102.039,16.731 102.025,16.676 102.027,16.632 102.03,16.594 102.023,16.555 101.992,16.512
FRAM_SPI2_SCK on F.Cu "F.Cu-/FRAM_SPI2_SCK-1" (solid, remove dead copper, pour order 30635): 103.575,15.53 103.541,15.534 103.518,15.545 103.501,15.561 103.48,15.578 103.448,15.595 103.399,15.48 103.448,15.365 103.48,15.382 103.501,15.399 103.518,15.415 103.541,15.426 103.575,15.43
TIM1_CH2 on F.Cu "F.Cu-/TIM1_CH2-1" (solid, remove dead copper, pour order 30323): 105.76,23.205 105.801,23.254 105.842,23.294 105.884,23.327 105.925,23.352 105.966,23.369 105.71,24.101 105.454,23.369 105.495,23.352 105.536,23.327 105.578,23.294 105.619,23.254 105.66,23.205
BMI088_1_GDR on F.Cu "F.Cu-/BMI088_1_GDR-1" (solid, remove dead copper, pour order 30592): 107.228,14.112 107.197,14.155 107.19,14.194 107.193,14.232 107.195,14.276 107.181,14.331 107.009,14.261 106.939,14.089 106.994,14.075 107.038,14.077 107.076,14.08 107.115,14.073 107.158,14.042
SDMMC1_D2 on F.Cu "F.Cu-/SDMMC1_D2-4" (solid, remove dead copper, pour order 30633): 105.433,5.918 105.428,5.884 105.417,5.862 105.402,5.844 105.384,5.823 105.367,5.791 105.483,5.742 105.598,5.791 105.581,5.823 105.563,5.844 105.548,5.862 105.537,5.884 105.533,5.918
Net-(D6-A) on F.Cu "F.Cu-Net-(D6-A)" (solid, remove dead copper, pour order 30343): 98.05,23.86 98.018,23.877 97.986,23.9 97.954,23.93 97.922,23.967 97.89,24.01 97.629,23.71 97.89,23.41 97.922,23.453 97.954,23.49 97.986,23.52 98.018,23.543 98.05,23.56
USART1_RX on F.Cu "F.Cu-/USART1_RX" (solid, remove dead copper, pour order 30628): 119.79,6.765 119.786,6.731 119.775,6.708 119.759,6.691 119.742,6.67 119.725,6.638 119.84,6.589 119.955,6.638 119.938,6.67 119.921,6.691 119.905,6.708 119.894,6.731 119.89,6.765
EX_I2C4_SDA on F.Cu "F.Cu-/EX_I2C4_SDA-1" (solid, remove dead copper, pour order 30664): 116.272,8.101 116.299,8.122 116.322,8.13 116.346,8.132 116.373,8.134 116.408,8.145 116.361,8.261 116.245,8.308 116.234,8.273 116.232,8.246 116.23,8.222 116.222,8.199 116.201,8.172
BMI088_0_ACS on F.Cu "F.Cu-/BMI088_0_ACS-1" (solid, remove dead copper, pour order 30581): 107.958,20.078 107.915,20.047 107.876,20.04 107.838,20.043 107.794,20.045 107.739,20.031 107.809,19.859 107.981,19.789 107.995,19.844 107.993,19.888 107.99,19.926 107.997,19.965 108.028,20.008
System_5V on F.Cu "F.Cu-System_5V-6" (solid, remove dead copper, pour order 30381): 119.845,24.23 119.906,24.227 119.949,24.221 119.986,24.214 120.029,24.208 120.09,24.205 120.091,24.38 120.09,24.555 120.029,24.552 119.986,24.546 119.949,24.539 119.906,24.533 119.845,24.53
BMI088_1_ACS on F.Cu "F.Cu-/BMI088_1_ACS" (solid, remove dead copper, pour order 30475): 112.87,13.03 112.884,13.014 112.898,12.993 112.912,12.968 112.926,12.939 112.94,12.905 113.236,13.08 112.94,13.255 112.926,13.221 112.912,13.192 112.898,13.167 112.884,13.146 112.87,13.13
SDMMC1_D3 on F.Cu "F.Cu-/SDMMC1_D3-5" (solid, remove dead copper, pour order 30294): 102.17,3.52 102.11,3.472 102.05,3.434 101.99,3.406 101.93,3.388 101.87,3.38 102.22,2.779 102.57,3.38 102.51,3.388 102.45,3.406 102.39,3.434 102.33,3.472 102.27,3.52
AUX3_PA4 on F.Cu "F.Cu-/AUX3_PA4-1" (solid, remove dead copper, pour order 30653): 107.271,17.918 107.292,17.891 107.3,17.868 107.302,17.844 107.304,17.817 107.315,17.782 107.431,17.829 107.478,17.945 107.443,17.956 107.416,17.958 107.392,17.96 107.369,17.968 107.342,17.989
Net-(U11A-PC14-OSC32_IN) on F.Cu "F.Cu-Net-(U11A-PC14-OSC32_IN)-2" (solid, remove dead copper, pour order 30513): 109.67,13.17 109.64,13.137 109.61,13.11 109.58,13.088 109.55,13.072 109.52,13.061 109.72,12.889 109.92,13.061 109.89,13.072 109.86,13.088 109.83,13.11 109.8,13.137 109.77,13.17
BMI088_1_GCS on F.Cu "F.Cu-/BMI088_1_GCS-1" (solid, remove dead copper, pour order 30591): 108.028,16.512 107.997,16.555 107.99,16.594 107.993,16.632 107.995,16.676 107.981,16.731 107.809,16.661 107.739,16.489 107.794,16.475 107.838,16.477 107.876,16.48 107.915,16.473 107.958,16.442
BMI088_0_MISO on F.Cu "F.Cu-/BMI088_0_MISO-3" (solid, remove dead copper, pour order 30572): 107.158,20.078 107.115,20.047 107.076,20.04 107.038,20.043 106.994,20.045 106.939,20.031 107.009,19.859 107.181,19.789 107.195,19.844 107.193,19.888 107.19,19.926 107.197,19.965 107.228,20.008
Net-(U11B-BOOT0) on F.Cu "F.Cu-Net-(U11B-BOOT0)" (solid, remove dead copper, pour order 30651): 111.21,11.965 111.214,11.999 111.225,12.022 111.241,12.039 111.258,12.06 111.275,12.092 111.16,12.141 111.045,12.092 111.062,12.06 111.079,12.039 111.095,12.022 111.106,11.999 111.11,11.965
SDMMC1_D1 on F.Cu "F.Cu-/SDMMC1_D1-2" (solid, remove dead copper, pour order 30425): 101.765,8.416 101.75,8.456 101.735,8.504 101.72,8.561 101.705,8.628 101.69,8.703 101.489,8.621 101.437,8.39 101.489,8.397 101.54,8.396 101.591,8.387 101.643,8.37 101.694,8.345
SBUS on F.Cu "F.Cu-/SBUS-5" (solid, remove dead copper, pour order 30312): 117.135,26.33 117.168,26.306 117.201,26.275 117.233,26.235 117.266,26.188 117.299,26.134 118.031,26.39 117.299,26.646 117.266,26.587 117.233,26.535 117.201,26.492 117.168,26.457 117.135,26.43
EX_SPI3_MISO on F.Cu "F.Cu-/EX_SPI3_MISO-1" (solid, remove dead copper, pour order 30561): 104.66,13.201 104.668,13.254 104.69,13.286 104.72,13.311 104.752,13.341 104.781,13.389 104.61,13.461 104.439,13.389 104.468,13.341 104.5,13.311 104.53,13.286 104.552,13.254 104.56,13.201
BMI088_0_MOSI on F.Cu "F.Cu-/BMI088_0_MOSI-2" (solid, remove dead copper, pour order 30650): 112.735,17.1 112.701,17.104 112.678,17.115 112.661,17.131 112.64,17.148 112.608,17.165 112.559,17.05 112.608,16.935 112.64,16.952 112.661,16.969 112.678,16.985 112.701,16.996 112.735,17
Net-(U11A-PC15-OSC32_OUT) on F.Cu "F.Cu-Net-(U11A-PC15-OSC32_OUT)-3" (solid, remove dead copper, pour order 30519): 111.78,13.17 111.749,13.138 111.718,13.111 111.688,13.09 111.657,13.075 111.626,13.065 111.82,12.889 112.021,13.061 111.993,13.072 111.964,13.088 111.936,13.11 111.908,13.137 111.88,13.17
Baro_I2C1_SDA on F.Cu "F.Cu-/Baro_I2C1_SDA-2" (solid, remove dead copper, pour order 30411): 104.975,10.154 104.99,10.114 105.005,10.066 105.02,10.009 105.035,9.942 105.05,9.867 105.251,9.949 105.303,10.18 105.251,10.173 105.2,10.174 105.149,10.183 105.097,10.2 105.046,10.225
Net-(U11A-PC14-OSC32_IN) on F.Cu "F.Cu-Net-(U11A-PC14-OSC32_IN)-1" (solid, remove dead copper, pour order 30329): 109.77,13.23 109.849,13.285 109.927,13.328 110.006,13.358 110.085,13.375 110.163,13.38 109.965,13.981 109.59,13.38 109.606,13.36 109.622,13.335 109.638,13.305 109.654,13.27 109.67,13.23
EX_I2C4_SDA on F.Cu "F.Cu-/EX_I2C4_SDA" (solid, remove dead copper, pour order 30665): 116.448,8.419 116.421,8.398 116.398,8.39 116.374,8.388 116.347,8.386 116.312,8.375 116.359,8.259 116.475,8.212 116.486,8.247 116.488,8.274 116.49,8.298 116.498,8.321 116.519,8.348
USART3_RX on F.Cu "F.Cu-/USART3_RX-1" (solid, remove dead copper, pour order 30584): 102.358,20.078 102.315,20.047 102.276,20.04 102.238,20.043 102.194,20.045 102.139,20.031 102.209,19.859 102.381,19.789 102.395,19.844 102.393,19.888 102.39,19.926 102.397,19.965 102.428,20.008
SDMMC1_D3 on F.Cu "F.Cu-/SDMMC1_D3-4" (solid, remove dead copper, pour order 30421): 103.285,8.416 103.27,8.456 103.255,8.504 103.24,8.561 103.225,8.628 103.21,8.703 103.009,8.621 102.957,8.39 103.009,8.397 103.06,8.396 103.111,8.387 103.163,8.37 103.214,8.345
System_5V on F.Cu "F.Cu-System_5V-5" (solid, remove dead copper, pour order 30377): 120.145,5.32 120.206,5.317 120.249,5.311 120.286,5.304 120.329,5.298 120.39,5.295 120.391,5.47 120.39,5.645 120.329,5.642 120.286,5.636 120.249,5.629 120.206,5.623 120.145,5.62
LED_GREEN on F.Cu "F.Cu-/LED_GREEN-1" (solid, remove dead copper, pour order 30547): 101.951,18.21 102.004,18.202 102.036,18.18 102.061,18.15 102.091,18.118 102.139,18.089 102.211,18.26 102.139,18.431 102.091,18.402 102.061,18.37 102.036,18.34 102.004,18.318 101.951,18.31
SDMMC1_CK on F.Cu "F.Cu-/SDMMC1_CK-2" (solid, remove dead copper, pour order 30658): 105.871,3.891 105.899,3.912 105.922,3.92 105.946,3.922 105.973,3.924 106.008,3.935 105.961,4.051 105.844,4.098 105.834,4.063 105.832,4.036 105.83,4.013 105.822,3.989 105.801,3.962
Core_3V3 on F.Cu "F.Cu-Core_3V3-15" (solid, remove dead copper, pour order 30501): 106.805,10.95 106.79,10.93 106.775,10.913 106.76,10.899 106.745,10.888 106.73,10.88 106.905,10.629 107.08,10.88 107.065,10.888 107.05,10.899 107.035,10.913 107.02,10.93 107.005,10.95
NRST on F.Cu "F.Cu-/NRST-1" (solid, remove dead copper, pour order 30619): 109.185,16.61 109.219,16.606 109.242,16.595 109.259,16.579 109.28,16.562 109.312,16.545 109.361,16.66 109.312,16.775 109.28,16.758 109.259,16.741 109.242,16.725 109.219,16.714 109.185,16.71
USART1_TX on F.Cu "F.Cu-/USART1_TX-1" (solid, remove dead copper, pour order 30656): 100.031,8.328 100.052,8.301 100.06,8.278 100.062,8.254 100.064,8.227 100.075,8.192 100.191,8.239 100.238,8.355 100.203,8.366 100.176,8.368 100.152,8.37 100.129,8.378 100.102,8.399
BMI088_0_ADR on F.Cu "F.Cu-/BMI088_0_ADR-2" (solid, remove dead copper, pour order 30638): 114.46,21.155 114.464,21.189 114.475,21.212 114.491,21.229 114.508,21.25 114.525,21.282 114.41,21.331 114.295,21.282 114.312,21.25 114.329,21.229 114.345,21.212 114.356,21.189 114.36,21.155
Net-(U11B-PH0-OSC_IN) on F.Cu "F.Cu-Net-(U11B-PH0-OSC_IN)-1" (solid, remove dead copper, pour order 30339): 109.52,15.685 109.546,15.648 109.572,15.602 109.598,15.547 109.624,15.483 109.65,15.41 109.976,15.735 109.65,16.06 109.624,15.987 109.598,15.923 109.572,15.868 109.546,15.822 109.52,15.785
Baro_I2C1_SCL on F.Cu "F.Cu-/Baro_I2C1_SCL-1" (solid, remove dead copper, pour order 30517): 105.53,9.08 105.513,9.105 105.497,9.136 105.48,9.174 105.463,9.217 105.447,9.267 105.249,9.12 105.388,8.898 105.417,8.924 105.445,8.945 105.473,8.962 105.502,8.973 105.53,8.98
EX_SPI3_SCK on F.Cu "F.Cu-/EX_SPI3_SCK-1" (solid, remove dead copper, pour order 30655): 104.066,12.643 104.087,12.616 104.095,12.593 104.097,12.569 104.099,12.542 104.11,12.507 104.226,12.554 104.273,12.67 104.238,12.681 104.211,12.683 104.187,12.685 104.164,12.693 104.137,12.714
BMI088_1_SCK on F.Cu "F.Cu-/BMI088_1_SCK" (solid, remove dead copper, pour order 30491): 114.45,9.8 114.475,9.823 114.5,9.841 114.525,9.855 114.55,9.865 114.575,9.87 114.4,10.166 114.225,9.87 114.25,9.865 114.275,9.855 114.3,9.841 114.325,9.823 114.35,9.8
SDMMC1_D0 on F.Cu "F.Cu-/SDMMC1_D0-4" (solid, remove dead copper, pour order 30291): 107.67,3.52 107.61,3.472 107.55,3.434 107.49,3.406 107.43,3.388 107.37,3.38 107.72,2.779 108.07,3.38 108.01,3.388 107.95,3.406 107.89,3.434 107.83,3.472 107.77,3.52
Net-(U4-BST) on F.Cu "F.Cu-Net-(U4-BST)" (solid, remove dead copper, pour order 30451): 92.65,19.23 92.64,19.202 92.63,19.177 92.62,19.156 92.61,19.137 92.6,19.121 92.8,18.949 93,19.121 92.99,19.137 92.98,19.156 92.97,19.177 92.96,19.202 92.95,19.23
BMI088_0_MISO on F.Cu "F.Cu-/BMI088_0_MISO-2" (solid, remove dead copper, pour order 30645): 112.635,20.09 112.601,20.094 112.578,20.105 112.561,20.121 112.54,20.138 112.508,20.155 112.459,20.04 112.508,19.925 112.54,19.942 112.561,19.959 112.578,19.975 112.601,19.986 112.635,19.99
EX_I2C4_SCL on F.Cu "F.Cu-/EX_I2C4_SCL-1" (solid, remove dead copper, pour order 30327): 117.225,8.34 117.258,8.327 117.291,8.308 117.323,8.283 117.356,8.252 117.389,8.214 118.121,8.47 117.356,8.677 117.33,8.614 117.304,8.558 117.278,8.511 117.251,8.471 117.225,8.44
SWDIO on F.Cu "F.Cu-/SWDIO-3" (solid, remove dead copper, pour order 30639): 111.805,7.29 111.771,7.294 111.748,7.305 111.731,7.321 111.71,7.338 111.678,7.355 111.629,7.24 111.678,7.125 111.71,7.142 111.731,7.159 111.748,7.175 111.771,7.186 111.805,7.19
ADC2_INP8_BATT_I on F.Cu "F.Cu-/ADC2_INP8_BATT_I" (solid, remove dead copper, pour order 30630): 106.164,21.465 106.159,21.431 106.148,21.408 106.133,21.391 106.115,21.37 106.098,21.338 106.214,21.289 106.329,21.338 106.312,21.37 106.294,21.391 106.279,21.408 106.268,21.431 106.264,21.465
Net-(R12-Pad2) on F.Cu "F.Cu-Net-(R12-Pad2)-2" (solid, remove dead copper, pour order 30449): 91.19,19.24 91.18,19.212 91.17,19.187 91.16,19.166 91.15,19.147 91.14,19.131 91.34,18.959 91.54,19.131 91.53,19.147 91.52,19.166 91.51,19.187 91.5,19.212 91.49,19.24
TIM1_CH4 on F.Cu "F.Cu-/TIM1_CH4-1" (solid, remove dead copper, pour order 30586): 103.958,18.478 103.915,18.447 103.876,18.44 103.838,18.443 103.794,18.445 103.739,18.431 103.809,18.259 103.981,18.189 103.995,18.244 103.993,18.288 103.99,18.326 103.997,18.365 104.028,18.408
USB_OTG_FS_DP on F.Cu "F.Cu-/USB_OTG_FS_DP-5" (solid, remove dead copper, pour order 30355): 95.555,11.96 95.567,11.955 95.579,11.947 95.591,11.937 95.603,11.925 95.615,11.91 96.191,12.06 95.615,12.21 95.603,12.195 95.591,12.183 95.579,12.173 95.567,12.165 95.555,12.16
BMI088_0_MOSI on F.Cu "F.Cu-/BMI088_0_MOSI-1" (solid, remove dead copper, pour order 30654): 111.881,20.958 111.902,20.931 111.91,20.908 111.912,20.884 111.914,20.857 111.925,20.822 112.041,20.869 112.088,20.985 112.053,20.996 112.026,20.998 112.002,21 111.979,21.008 111.952,21.029
SDMMC1_D0 on F.Cu "F.Cu-/SDMMC1_D0-3" (solid, remove dead copper, pour order 30626): 99.96,15.745 99.956,15.711 99.945,15.688 99.93,15.671 99.912,15.65 99.895,15.618 100.01,15.569 100.126,15.618 100.108,15.65 100.091,15.671 100.075,15.688 100.064,15.711 100.06,15.745
USART1_TX on F.Cu "F.Cu-/USART1_TX" (solid, remove dead copper, pour order 30618): 119.51,6.115 119.506,6.081 119.495,6.058 119.479,6.041 119.462,6.02 119.445,5.988 119.56,5.939 119.675,5.988 119.658,6.02 119.641,6.041 119.625,6.058 119.614,6.081 119.61,6.115
SBUS on F.Cu "F.Cu-/SBUS-4" (solid, remove dead copper, pour order 30679): 110.53,23.809 110.532,23.841 110.539,23.863 110.549,23.882 110.561,23.902 110.575,23.932 110.46,23.981 110.372,23.892 110.391,23.874 110.408,23.862 110.42,23.85 110.427,23.834 110.43,23.809
Net-(U11A-PC15-OSC32_OUT) on F.Cu "F.Cu-Net-(U11A-PC15-OSC32_OUT)-2" (solid, remove dead copper, pour order 30579): 108.758,14.478 108.715,14.447 108.676,14.44 108.638,14.443 108.594,14.445 108.539,14.431 108.609,14.259 108.781,14.189 108.795,14.244 108.793,14.288 108.79,14.326 108.797,14.365 108.828,14.408
BMI088_1_ADR on F.Cu "F.Cu-/BMI088_1_ADR-1" (solid, remove dead copper, pour order 30623): 112.16,14.315 112.156,14.281 112.145,14.258 112.129,14.241 112.112,14.22 112.095,14.188 112.21,14.139 112.325,14.188 112.308,14.22 112.291,14.241 112.275,14.258 112.264,14.281 112.26,14.315
FRAM_SPI2_SCK on F.Cu "F.Cu-/FRAM_SPI2_SCK" (solid, remove dead copper, pour order 30613): 103.747,15.272 103.758,15.253 103.75,15.238 103.73,15.225 103.704,15.21 103.679,15.191 103.811,15.059 103.941,15.191 103.908,15.227 103.888,15.254 103.871,15.279 103.85,15.307 103.818,15.343
SDMMC1_D2 on F.Cu "F.Cu-/SDMMC1_D2-3" (solid, remove dead copper, pour order 30659): 104.793,4.983 104.82,5.004 104.843,5.012 104.867,5.014 104.894,5.016 104.929,5.026 104.882,5.142 104.765,5.189 104.755,5.155 104.753,5.128 104.751,5.104 104.743,5.08 104.722,5.053
Core_3V3 on F.Cu "F.Cu-Core_3V3-14" (solid, remove dead copper, pour order 30503): 108.105,10.95 108.09,10.93 108.075,10.913 108.06,10.899 108.045,10.888 108.03,10.88 108.205,10.629 108.38,10.88 108.365,10.888 108.35,10.899 108.335,10.913 108.32,10.93 108.305,10.95
SDMMC1_CK on F.Cu "F.Cu-/SDMMC1_CK-1" (solid, remove dead copper, pour order 30297): 105.495,3.52 105.434,3.472 105.373,3.434 105.312,3.406 105.251,3.388 105.19,3.38 105.52,2.779 105.87,3.38 105.815,3.389 105.76,3.408 105.705,3.436 105.65,3.473 105.595,3.52